# Altium PCB controller_V1.0.PcbDoc (part 7 of 8) (continued)
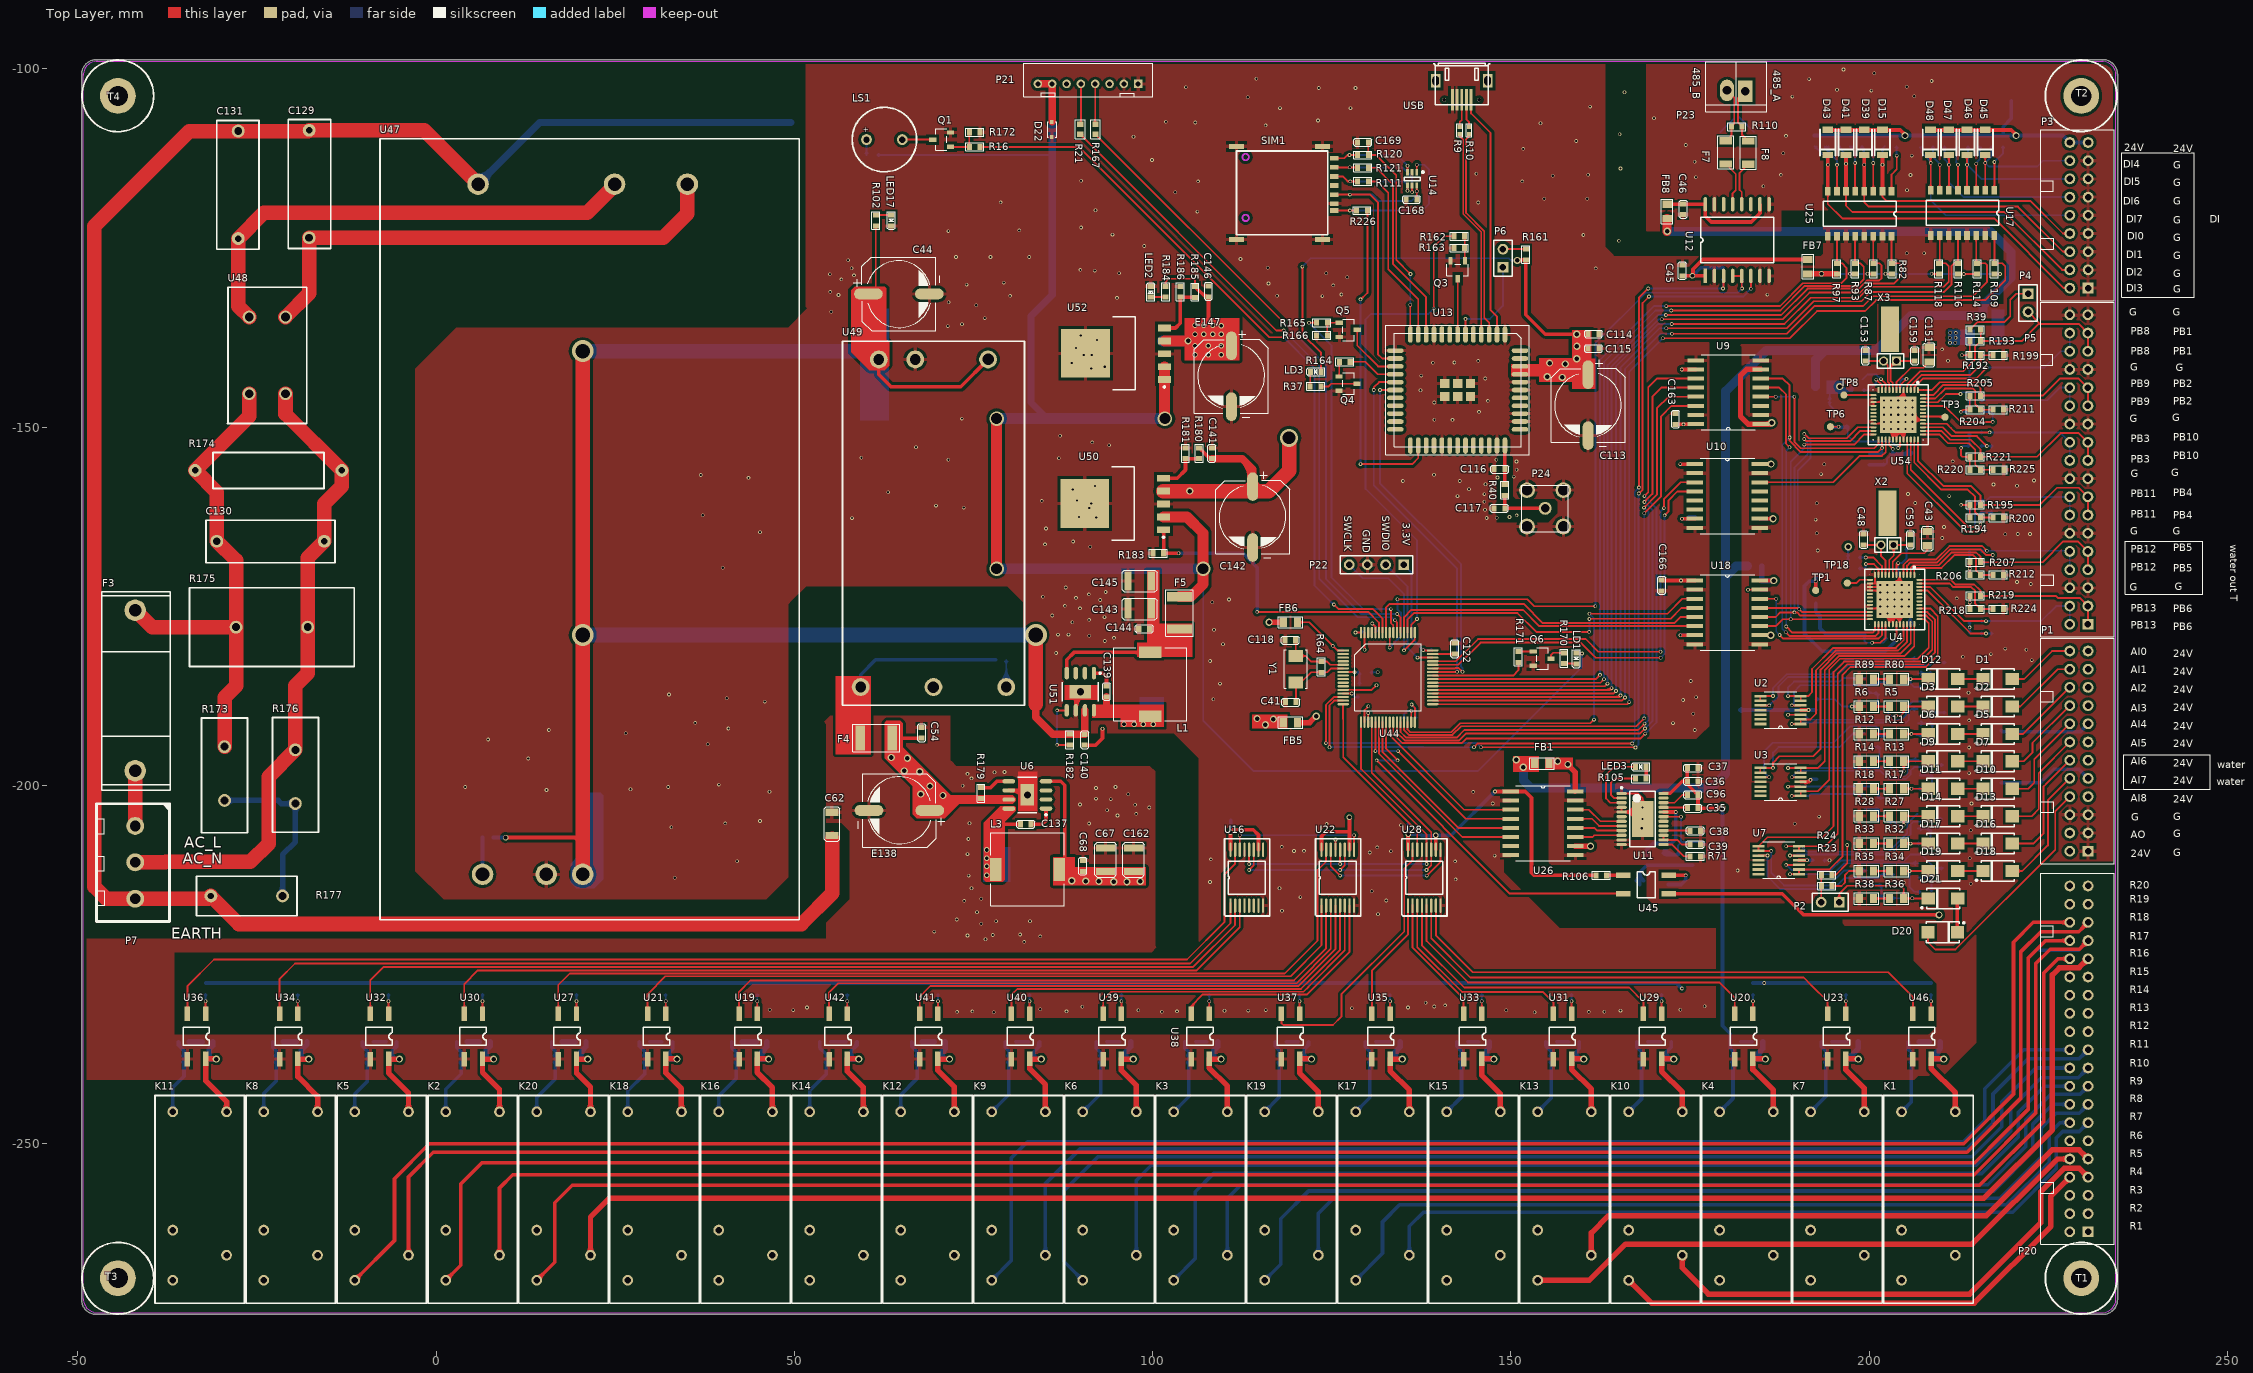
[diagram p0: Top Layer view]
## Nets (pads, with @x,y where several pads share a name; then routed paths per layer and width w, separated by ;. In a path a pad name is that pad's centre, name@x,y a point inside that pad or via, vN(x,y) a via of type N, cw(c..) or ccw(c..) an arc to the next point about the centre after c; other vN are vias at no path point) (continued)
PT100_A8: R196.1 R201.2 U54.1 | length 14.6
  Top Layer w0.254: U54.1@206.803,-144.835 208.758,-144.835 209.855,-143.739 216.179,-143.739 v1(216.433,-143.485)
  Bottom Layer w0.254: R196.1@215.515,-143.485 v1(216.433,-143.485) R201.2@217.242,-143.485 ; R196.1@215.673,-143.642 cw(c216.053,-144.023) 216.053,-143.485 cw(c216.053,-142.946) R196.1@215.673,-143.327 ; v1@216.344,-143.574 ccw(c216.127,-143.791) 216.127,-143.485 ccw(c216.127,-143.178) v1@216.344,-143.395 ; v1@216.523,-143.574 cw(c216.74,-143.791) 216.74,-143.485 cw(c216.74,-143.178) v1@216.523,-143.395 ; R201.2@217.085,-143.642 ccw(c216.704,-144.023) 216.704,-143.485 ccw(c216.704,-142.946) R201.2@217.085,-143.327
PT100_A9: R208.1 R213.2 U54.45 | length 17.8
  Top Layer w0.254: U54.45@207.503,-147.035 209.062,-147.035 209.067,-147.041 ; 208.559,-147.041 209.067,-147.041 ; v1@217.152,-149.37 ccw(c216.936,-149.586) 216.936,-149.28 ccw(c216.936,-148.973) v1@217.152,-149.19 ; v1(217.242,-149.28) 212.747,-149.28 210.508,-147.041 209.067,-147.041
  Bottom Layer w0.254: R208.1@215.515,-147.879 R213.2@217.242,-147.879 v1(217.242,-149.28) ; R208.1@215.673,-148.036 cw(c216.053,-148.417) 216.053,-147.879 cw(c216.053,-147.34) R208.1@215.673,-147.721 ; R213.2@217.085,-148.111 cw(c216.704,-148.492) 217.242,-148.492 cw(c217.781,-148.492) R213.2@217.4,-148.111 ; R213.2@217.085,-148.036 ccw(c216.704,-148.417) 216.704,-147.879 ccw(c216.704,-147.34) R213.2@217.085,-147.721 ; v1@217.152,-149.19 ccw(c216.936,-148.973) 217.242,-148.973 ccw(c217.549,-148.973) v1@217.332,-149.19
PT100_A10: R220.1 R225.2 U54.37 | length 14.7
  Top Layer w0.254: U54.37@207.503,-151.035 209.76,-151.035 210.998,-152.273 213.919,-152.273 214.811,-153.165 214.811,-155.225 R220.1@215.542,-155.956 R225.2@217.293,-155.956 ; R220.1@215.699,-156.114 cw(c216.08,-156.494) 216.08,-155.956 cw(c216.08,-155.418) R220.1@215.699,-155.798 ; R225.2@217.135,-156.114 ccw(c216.755,-156.494) 216.755,-155.956 ccw(c216.755,-155.418) R225.2@217.135,-155.798
PT100_A11: R198.2 R246.1 U54.33 | length 26
  Top Layer w0.254: U54.33@205.303,-151.735 205.303,-156.484 213.385,-164.567 215.163,-164.567 215.515,-164.215 v1(215.515,-163.58) ; v1@215.425,-163.67 cw(c215.208,-163.887) 215.515,-163.887 cw(c215.822,-163.887) v1@215.605,-163.67
  Bottom Layer w0.254: R246.1@215.357,-162.132 cw(c214.977,-162.513) 215.515,-162.513 cw(c216.053,-162.513) R246.1@215.673,-162.132 ; v1@215.425,-163.49 ccw(c215.208,-163.273) 215.515,-163.273 ccw(c215.822,-163.273) v1@215.605,-163.49 ; v1(215.515,-163.58) R246.1@215.515,-161.9 R198.2@217.217,-161.9 ; R246.1@215.673,-162.057 cw(c216.053,-162.438) 216.053,-161.9 cw(c216.053,-161.361) R246.1@215.673,-161.742 ; 216.643,-161.9 ccw(c216.643,-161.275) R198.2@217.085,-161.717 ; 216.765,-161.9 cw(c216.765,-162.351) R198.2@217.085,-162.032
PT100_A12: R202.1 R210.2 U4.3 | length 20.9
  Top Layer w0.254: U4.3@205.295,-170.616 205.295,-169.33 205.74,-168.885 206.324,-168.885 209.479,-168.885 211.257,-167.107 215.544,-167.107 216.285,-167.847 v1(217.242,-167.847) ; v1@217.152,-167.937 ccw(c216.936,-168.154) 216.936,-167.847 ccw(c216.936,-167.541) v1@217.152,-167.757
  Bottom Layer w0.254: R202.1@215.515,-168.91 216.433,-168.91 R210.2@217.242,-168.91 v1(217.242,-167.847) v1@217.242,-167.72 ; R202.1@215.673,-169.068 cw(c216.053,-169.448) 216.053,-168.91 cw(c216.053,-168.372) R202.1@215.673,-168.752 ; R210.2@217.085,-169.068 ccw(c216.704,-169.448) 216.704,-168.91 ccw(c216.704,-168.372) R210.2@217.085,-168.752 ; R210.2@217.085,-168.677 ccw(c216.704,-168.297) 217.242,-168.297 ccw(c217.781,-168.297) R210.2@217.4,-168.677 ; v1@217.152,-167.937 cw(c216.936,-168.154) 217.242,-168.154 cw(c217.549,-168.154) v1@217.332,-167.937
PT100_A13: R214.1 R222.2 U4.45 | length 16.7
  Top Layer w0.254: U4.45@206.995,-172.816 208.16,-172.816 211.626,-176.282 214.151,-178.807 v1(216.306,-178.807) ; v1@216.217,-178.897 ccw(c216,-179.114) 216,-178.807 ccw(c216,-178.501) v1@216.217,-178.717
  Bottom Layer w0.254: R214.1@215.515,-178.807 v1(216.306,-178.807) R222.2@217.242,-178.807 ; R214.1@215.673,-178.965 cw(c216.053,-179.346) 216.053,-178.807 cw(c216.053,-178.269) R214.1@215.673,-178.65 ; v1@216.217,-178.897 ccw(c216,-179.114) 216,-178.807 ccw(c216,-178.501) v1@216.217,-178.717 ; v1@216.396,-178.897 cw(c216.613,-179.114) 216.613,-178.807 cw(c216.613,-178.501) v1@216.396,-178.717 ; R222.2@217.085,-178.965 ccw(c216.704,-179.346) 216.704,-178.807 ccw(c216.704,-178.269) R222.2@217.085,-178.65
PT100_B1: P4.2 P5.31 P5.33 R39.1 R193.1 U54.4 | length 40.1
  Top Layer w0.254: U54.4@205.303,-144.835 205.303,-144.023 207.112,-142.215 213.131,-142.215 214.782,-140.564 214.782,-138.758 R193.1@215.542,-137.998 ; R193.1@215.384,-137.766 ccw(c214.936,-137.317) 215.57,-137.317 ; R39.1@215.412,-136.631 cw(c215.031,-137.011) 215.57,-137.011 cw(c216.108,-137.011) R39.1@215.727,-136.631 ; 215.57,-137.452 ccw(c216.013,-137.452) R193.1@215.699,-137.766 ; R39.1@215.57,-136.398 215.57,-137.97 R193.1@215.542,-137.998 ; R193.1@215.699,-138.156 cw(c216.08,-138.537) 216.08,-137.998 cw(c216.08,-137.46) R193.1@215.699,-137.841 ; P4.2@222.174,-133.934 223.672,-135.433 223.672,-135.611 ; P5.31@230.53,-139.421 P5.33@230.53,-136.881 229.26,-135.611 223.672,-135.611 ; R193.1@215.542,-137.998 221.285,-137.998 223.672,-135.611
PT100_B2: P5.25 P5.27 R205.1 U54.48 | length 30.6
  Top Layer w0.254: U54.48@207.503,-145.535 208.922,-145.535 210.337,-144.12 212.623,-144.12 215.036,-144.12 215.542,-144.625 R205.1@215.542,-145.644 215.567,-145.618 224.206,-145.618 226.593,-143.231 229.26,-143.231 P5.27@230.53,-144.501 P5.25@230.53,-147.041 ; R205.1@215.384,-145.411 ccw(c215.003,-145.03) 215.542,-145.03 ccw(c216.08,-145.03) R205.1@215.699,-145.411 ; R205.1@215.699,-145.801 cw(c216.141,-146.243) 216.141,-145.618 ; R205.1@215.699,-145.486 ccw(c216.019,-145.167) 216.019,-145.618
PT100_B3: P5.20 P5.22 R217.1 U54.40 | length 27.7
  Top Layer w0.254: U54.40@207.503,-149.535 210.8,-149.535 211.417,-150.152 212.014,-150.749 v1(216.814,-150.749) ; v1@216.725,-150.839 ccw(c216.508,-151.056) 216.508,-150.749 ccw(c216.508,-150.442) v1@216.725,-150.659
  Bottom Layer w0.254: R217.1@215.515,-150.749 v1(216.814,-150.749) 226.619,-150.749 P5.22@227.99,-152.121 P5.20@227.99,-154.661 ; R217.1@215.673,-150.907 cw(c216.053,-151.287) 216.053,-150.749 cw(c216.053,-150.211) R217.1@215.673,-150.591 ; v1@216.725,-150.839 ccw(c216.508,-151.056) 216.508,-150.749 ccw(c216.508,-150.442) v1@216.725,-150.659 ; v1@216.904,-150.839 cw(c217.121,-151.056) 217.121,-150.749 cw(c217.121,-150.442) v1@216.904,-150.659
PT100_B4: P5.13 P5.15 R195.1 U54.36 | length 35.7
  Top Layer w0.254: U54.36@206.803,-151.735 206.803,-154.682 210.337,-158.217 214.147,-158.217 215.542,-159.611 R195.1@215.542,-160.858 223.825,-160.858 226.212,-158.471 229.26,-158.471 P5.15@230.53,-159.741 P5.13@230.53,-162.281 ; R195.1@215.384,-160.626 ccw(c215.003,-160.245) 215.542,-160.245 ccw(c216.08,-160.245) R195.1@215.699,-160.626 ; R195.1@215.699,-161.016 cw(c216.08,-161.397) 216.08,-160.858 cw(c216.08,-160.32) R195.1@215.699,-160.701
PT100_B5: P5.7 P5.9 R207.1 U4.2 | length 33.6
  Top Layer w0.254: U4.2@205.795,-170.616 205.795,-169.648 206.162,-169.281 209.738,-169.281 211.531,-167.488 214.909,-167.488 215.542,-168.12 R207.1@215.542,-168.859 ; R207.1@215.384,-168.627 ccw(c215.003,-168.246) 215.542,-168.246 ccw(c216.08,-168.246) R207.1@215.699,-168.627 ; R207.1@215.546,-168.863 R207.1@215.542,-168.859 ; R207.1@215.699,-169.017 cw(c216.08,-169.398) 216.08,-168.859 cw(c216.08,-168.321) R207.1@215.699,-168.702 ; P5.7@230.53,-169.901 P5.9@230.53,-167.361 229.133,-165.964 227.101,-165.964 224.206,-168.859 R207.1@215.542,-168.859
PT100_B6: P5.1 P5.3 R219.1 U4.48 | length 29.7
  Top Layer w0.254: U4.48@206.995,-171.316 211.372,-171.316 212.014,-171.958 214.63,-171.958 215.542,-172.87 R219.1@215.542,-173.558 226.06,-173.558 226.339,-173.838 229.387,-173.838 P5.3@230.53,-174.981 P5.1@230.53,-177.521 ; R219.1@215.384,-173.326 ccw(c215.003,-172.945) 215.542,-172.945 ccw(c216.08,-172.945) R219.1@215.699,-173.326 ; R219.1@215.699,-173.716 cw(c216.08,-174.097) 216.08,-173.558 cw(c216.08,-173.02) R219.1@215.699,-173.401
PT100_B8: P5.32 P5.34 R197.1 U54.2 | length 30.2
  Top Layer w0.254: U54.2@206.303,-144.835 206.303,-144.42 207.493,-143.231 211.353,-143.231 214.909,-143.231 v1(216.433,-141.707) ; U54.2@206.316,-144.55 cw(c206.661,-144.55) 206.417,-144.306 ; v1@216.306,-141.707 cw(c216,-141.707) 216.217,-141.923 cw(c216.433,-142.14) v1@216.433,-141.834
  Bottom Layer w0.254: R197.1@215.515,-141.707 v1(216.433,-141.707) 224.434,-141.707 226.72,-139.421 P5.32@227.99,-139.421 P5.34@227.99,-136.881 ; R197.1@215.673,-141.864 cw(c216.053,-142.245) 216.053,-141.707 cw(c216.053,-141.168) R197.1@215.673,-141.549 ; v1@216.344,-141.796 ccw(c216.127,-142.013) 216.127,-141.707 ccw(c216.127,-141.4) v1@216.344,-141.617 ; v1@216.523,-141.796 cw(c216.74,-142.013) 216.74,-141.707 cw(c216.74,-141.4) v1@216.523,-141.617
PT100_B9: P5.26 P5.28 R209.1 U54.46 | length 27.5
  Top Layer w0.254: U54.46@207.503,-146.535 209.573,-146.535 210.718,-145.39 v1(212.75,-145.39) ; v1@212.661,-145.479 ccw(c212.444,-145.696) 212.444,-145.39 ccw(c212.444,-145.083) v1@212.661,-145.3
  Bottom Layer w0.254: v1(212.75,-145.39) 213.004,-145.136 215.29,-145.136 215.515,-145.36 R209.1@215.515,-146.253 216.56,-146.253 224.841,-146.253 226.593,-144.501 P5.28@227.99,-144.501 P5.26@227.99,-147.041 ; R209.1@215.357,-146.021 ccw(c214.977,-145.64) 215.515,-145.64 ccw(c216.053,-145.64) R209.1@215.673,-146.021 ; R209.1@215.673,-146.411 cw(c216.053,-146.792) 216.053,-146.253 cw(c216.053,-145.715) R209.1@215.673,-146.096
PT100_B10: P5.19 P5.21 R221.1 U54.38 | length 31.2
  Top Layer w0.254: U54.38@207.503,-150.535 210.066,-150.535 211.295,-151.765 214.173,-151.765 215.542,-153.134 R221.1@215.542,-154.153 223.418,-154.153 226.72,-150.851 229.26,-150.851 P5.21@230.53,-152.121 P5.19@230.53,-154.661 ; R221.1@215.384,-153.92 ccw(c215.003,-153.539) 215.542,-153.539 ccw(c216.08,-153.539) R221.1@215.699,-153.92 ; R221.1@215.699,-154.31 cw(c216.08,-154.691) 216.08,-154.153 cw(c216.08,-153.614) R221.1@215.699,-153.995
PT100_B11: P5.14 P5.16 R191.1 U54.34 | length 38.4
  Top Layer w0.254: U54.34@205.803,-151.735 205.803,-155.968 213.766,-163.932 v1(214.782,-163.932) ; v1@214.693,-164.021 ccw(c214.476,-164.238) 214.476,-163.932 ccw(c214.476,-163.625) v1@214.693,-163.842
  Bottom Layer w0.254: v1@214.693,-163.842 ccw(c214.476,-163.625) 214.782,-163.625 ccw(c215.089,-163.625) v1@214.872,-163.842 ; v1(214.782,-163.932) 214.782,-160.956 R191.1@215.515,-160.223 216.433,-160.223 216.916,-159.741 P5.16@227.99,-159.741 P5.14@227.99,-162.281 ; 215.006,-160.732 cw(c215.515,-161.241) R191.1@215.515,-160.521 ; R191.1@215.187,-160.551 ccw(c214.935,-160.298) R191.1@215.292,-160.298 ; R191.1@215.673,-160.381 cw(c216.053,-160.762) 216.053,-160.223 cw(c216.053,-159.685) R191.1@215.673,-160.066
PT100_B12: P5.8 P5.10 R203.1 U4.4 | length 32.1
  Top Layer w0.254: U4.4@204.795,-170.616 204.795,-169.22 205.511,-168.504 209.321,-168.504 211.226,-166.599 215.773,-166.599 v1(216.433,-167.259) ; v1@216.306,-167.259 ccw(c216,-167.259) 216.217,-167.042 ccw(c216.433,-166.825) v1@216.433,-167.132
  Bottom Layer w0.254: R203.1@215.515,-167.259 v1(216.433,-167.259) 226.339,-167.259 ; R203.1@215.673,-167.417 cw(c216.053,-167.797) 216.053,-167.259 cw(c216.053,-166.721) R203.1@215.673,-167.101 ; v1@216.344,-167.349 ccw(c216.127,-167.566) 216.127,-167.259 ccw(c216.127,-166.952) v1@216.344,-167.169 ; v1@216.523,-167.349 cw(c216.74,-167.566) 216.74,-167.259 cw(c216.74,-166.952) v1@216.523,-167.169 ; 226.695,-167.259 226.339,-167.259 ; P5.8@227.99,-169.901 P5.10@227.99,-167.361 227.889,-167.259 226.339,-167.259
PT100_B13: P5.2 P5.4 R215.1 U4.46 | length 29.5
  Top Layer w0.254: U4.46@206.995,-172.316 208.486,-172.316 213.258,-177.089 v1(216.306,-177.089) ; v1@216.217,-177.179 ccw(c216,-177.395) 216,-177.089 ccw(c216,-176.782) v1@216.217,-176.999
  Bottom Layer w0.254: R215.1@215.515,-177.089 v1(216.306,-177.089) 223.977,-177.089 226.085,-174.981 P5.4@227.99,-174.981 P5.2@227.99,-177.521 ; R215.1@215.673,-177.246 cw(c216.053,-177.627) 216.053,-177.089 cw(c216.053,-176.55) R215.1@215.673,-176.931 ; v1@216.217,-177.179 ccw(c216,-177.395) 216,-177.089 ccw(c216,-176.782) v1@216.217,-176.999 ; v1@216.396,-177.179 cw(c216.613,-177.395) 216.613,-177.089 cw(c216.613,-176.782) v1@216.396,-176.999
RE_IO2: U44.3
RELAY_A1: K1.1 P20.1 | length 23.7
  GND w0.762: K1.1@212.019,-265.567 216.538,-261.048 229.288,-261.048 P20.1@230.546,-262.306 ; K1.1@212.019,-265.198 ccw(c212.019,-264.307) 212.649,-264.937 ccw(c213.279,-265.567) K1.1@212.388,-265.567 ; P20.1@230.177,-262.306 ccw(c229.287,-262.306) 229.916,-261.676 ccw(c230.546,-261.046) P20.1@230.546,-261.937
RELAY_A2: K4.1 P20.5 | length 54.1
  GND w0.762: K4.1@186.362,-265.306 ccw(c185.732,-264.676) 186.623,-264.676 ccw(c187.514,-264.676) K4.1@186.884,-265.306 ; K4.1@186.623,-265.567 186.623,-260.696 191.352,-255.968 229.288,-255.968 P20.5@230.546,-257.226 ; P20.5@230.177,-257.226 ccw(c229.287,-257.226) 229.916,-256.596 ccw(c230.546,-255.966) P20.5@230.546,-256.857
RELAY_A3: K7.1 P20.3 | length 39.4
  GND w0.762: K7.1@199.06,-265.306 ccw(c198.43,-264.676) 199.321,-264.676 ccw(c200.212,-264.676) K7.1@199.582,-265.306 ; K7.1@199.321,-265.567 199.321,-262.349 203.163,-258.508 229.288,-258.508 P20.3@230.546,-259.766 ; P20.3@230.177,-259.766 ccw(c229.287,-259.766) 229.916,-259.136 ccw(c230.546,-258.506) P20.3@230.546,-259.397
RELAY_A4: K10.1 P20.7 | length 73.1
  Top Layer w0.762: K10.1@173.665,-265.828 cw(c173.035,-266.458) 173.926,-266.458 cw(c174.816,-266.458) K10.1@174.187,-265.828 ; K10.1@173.926,-265.567 173.926,-267.347 177.571,-270.993 214.02,-270.993 223.977,-261.036 223.977,-256.692 227.242,-253.428 229.288,-253.428 P20.7@230.546,-254.686 ; P20.7@230.177,-254.686 ccw(c229.287,-254.686) 229.916,-254.056 ccw(c230.546,-253.426) P20.7@230.546,-254.317
RELAY_A5: K13.1 P20.9 | length 80.5
  Top Layer w0.762: K13.1@160.967,-265.306 ccw(c160.337,-264.676) 161.228,-264.676 ccw(c162.119,-264.676) K13.1@161.489,-265.306 ; K13.1@161.228,-265.567 161.228,-262.458 163.641,-260.045 216.357,-260.045 225.515,-250.888 229.288,-250.888 P20.9@230.546,-252.146 ; P20.9@230.177,-252.146 ccw(c229.287,-252.146) 229.916,-251.516 ccw(c230.546,-250.886) P20.9@230.546,-251.777
RELAY_A6: K15.1 P20.11 | length 92.4
  VCC w0.508: K15.1@148.53,-265.567 154.777,-265.567 156.743,-263.601 214.249,-263.601 226.924,-250.927 228.346,-250.927 229.226,-250.927 P20.11@230.546,-249.606 ; K15.1@148.881,-265.918 cw(c149.728,-266.765) 149.728,-265.567 cw(c149.728,-264.37) K15.1@148.881,-265.216 ; P20.11@230.05,-249.606 cw(c228.853,-249.606) 229.7,-250.453 cw(c230.546,-251.299) P20.11@230.546,-250.102
RELAY_A7: K17.1 P20.13 | length 111
  Bottom Layer w0.508: K17.1@135.482,-265.216 ccw(c134.635,-264.37) 135.832,-264.37 ccw(c137.03,-264.37) K17.1@136.183,-265.216 ; K17.1@135.832,-265.567 135.832,-261.525 137.795,-259.563 220.04,-259.563 226.085,-253.517 226.085,-249.25 227.025,-248.31 229.302,-248.31 P20.13@230.546,-247.066 ; P20.13@230.05,-247.066 cw(c228.853,-247.066) 229.7,-247.913 cw(c230.546,-248.759) P20.13@230.546,-247.562
RELAY_A8: K19.1 P20.15 | length 125.6
  Bottom Layer w0.508: K19.1@122.784,-265.216 ccw(c121.937,-264.37) 123.135,-264.37 ccw(c124.332,-264.37) K19.1@123.485,-265.216 ; K19.1@123.135,-265.567 123.135,-259.745 125.247,-257.632 218.211,-257.632 224.003,-251.841 224.003,-247.853 226.085,-245.77 229.302,-245.77 P20.15@230.546,-244.526 ; P20.15@230.05,-244.526 cw(c228.853,-244.526) 229.7,-245.373 cw(c230.546,-246.219) P20.15@230.546,-245.022
RELAY_A9: K3.1 P20.17 | length 140.5
  Bottom Layer w0.508: K3.1@110.086,-265.216 ccw(c109.24,-264.37) 110.437,-264.37 ccw(c111.634,-264.37) K3.1@110.788,-265.216 ; K3.1@110.437,-265.567 110.437,-257.634 112.344,-255.727 216.535,-255.727 221.844,-250.419 221.844,-246.659 225.386,-243.117 229.415,-243.117 P20.17@230.546,-241.986 ; P20.17@230.05,-241.986 cw(c228.853,-241.986) 229.7,-242.833 cw(c230.546,-243.679) P20.17@230.546,-242.482
RELAY_A10: K6.1 P20.19 | length 155.3
  Bottom Layer w0.508: K6.1@97.389,-265.216 ccw(c96.542,-264.37) 97.739,-264.37 ccw(c98.937,-264.37) K6.1@98.09,-265.216 ; K6.1@97.739,-265.567 97.739,-255.118 99.822,-253.035 214.935,-253.035 219.735,-248.234 219.735,-245.11 224.028,-240.817 229.175,-240.817 P20.19@230.546,-239.446 ; P20.19@230.05,-239.446 cw(c228.853,-239.446) 229.7,-240.293 cw(c230.546,-241.139) P20.19@230.546,-239.942
RELAY_A11: K9.1 P20.21 | length 169.3
  Bottom Layer w0.508: K9.1@84.691,-265.216 ccw(c83.844,-264.37) 85.042,-264.37 ccw(c86.239,-264.37) K9.1@85.392,-265.216 ; K9.1@85.042,-265.567 85.042,-255.572 89.865,-250.749 213.614,-250.749 217.272,-247.091 217.272,-243.078 222.174,-238.176 229.276,-238.176 P20.21@230.546,-236.906 ; P20.21@230.05,-236.906 cw(c228.853,-236.906) 229.7,-237.753 cw(c230.546,-238.599) P20.21@230.546,-237.402
RELAY_A12: K12.1 P20.23 | length 184.2
  VCC w0.508: K12.1@71.993,-265.216 ccw(c71.146,-264.37) 72.344,-264.37 ccw(c73.541,-264.37) K12.1@72.695,-265.216 ; K12.1@72.344,-265.567 72.344,-261.107 74.879,-258.572 215.417,-258.572 226.238,-247.752 226.238,-236.398 227.051,-235.585 229.327,-235.585 P20.23@230.546,-234.366 ; P20.23@230.05,-234.366 cw(c228.853,-234.366) 229.7,-235.213 cw(c230.546,-236.059) P20.23@230.546,-234.862
RELAY_A13: K14.1 P20.25 | length 199.1
  VCC w0.508: K14.1@59.295,-265.216 ccw(c58.449,-264.37) 59.646,-264.37 ccw(c60.844,-264.37) K14.1@59.997,-265.216 ; K14.1@59.646,-265.567 59.646,-259.022 62.484,-256.184 214.427,-256.184 224.13,-246.482 224.13,-235.179 226.212,-233.096 229.276,-233.096 P20.25@230.546,-231.826 ; P20.25@230.05,-231.826 cw(c228.853,-231.826) 229.7,-232.673 cw(c230.546,-233.519) P20.25@230.546,-232.322
RELAY_A14: K16.1 P20.27 | length 213.6
  VCC w0.508: K16.1@46.598,-265.216 ccw(c45.751,-264.37) 46.948,-264.37 ccw(c48.146,-264.37) K16.1@47.299,-265.216 ; K16.1@46.948,-265.567 46.948,-258.004 51.054,-253.898 213.106,-253.898 221.92,-245.085 221.92,-233.553 224.993,-230.48 229.353,-230.48 P20.27@230.546,-229.286 ; P20.27@230.05,-229.286 cw(c228.853,-229.286) 229.7,-230.133 cw(c230.546,-230.979) P20.27@230.546,-229.782
RELAY_A15: K18.1 P20.29 | length 230.4
  VCC w0.508: K18.1@33.9,-265.216 ccw(c33.053,-264.37) 34.251,-264.37 ccw(c35.448,-264.37) K18.1@34.601,-265.216 ; K18.1@34.251,-265.567 34.251,-253.709 36.424,-251.536 212.242,-251.536 218.796,-244.983 218.796,-232.562 223.291,-228.067 229.226,-228.067 P20.29@230.546,-226.746 ; P20.29@230.05,-226.746 cw(c228.853,-226.746) 229.7,-227.593 cw(c230.546,-228.439) P20.29@230.546,-227.242
RELAY_A16: K20.1 P20.31 | length 244.7
  Top Layer w0.762: K20.1@21.292,-265.306 ccw(c20.662,-264.676) 21.553,-264.676 ccw(c22.444,-264.676) K20.1@21.814,-265.306 ; K20.1@21.553,-265.567 21.553,-260.26 24.155,-257.658 215.976,-257.658 225.552,-248.082 225.552,-226.441 226.529,-225.464 228.527,-225.464 228.541,-225.45 229.302,-225.45 P20.31@230.546,-224.206 ; P20.31@230.177,-224.206 cw(c229.287,-224.206) 229.916,-224.836 cw(c230.546,-225.466) P20.31@230.546,-224.575
RELAY_A17: K2.1 P20.33 | length 270.5
  Top Layer w0.508: K2.1@8.504,-265.216 ccw(c7.658,-264.37) 8.855,-264.37 ccw(c10.053,-264.37) K2.1@9.206,-265.216 ; K2.1@8.855,-265.567 8.855,-256.194 10.719,-254.33 214.655,-254.33 223.266,-245.72 223.266,-224.866 225.273,-222.86 229.353,-222.86 P20.33@230.546,-221.666 ; P20.33@230.05,-221.666 cw(c228.853,-221.666) 229.7,-222.513 cw(c230.546,-223.359) P20.33@230.546,-222.162
  Bottom Layer w0.508: 223.825,-223.037 229.175,-223.037 P20.33@230.546,-221.666 ; P20.33@230.05,-221.666 cw(c228.853,-221.666) 229.7,-222.513 cw(c230.546,-223.359) P20.33@230.546,-222.162
RELAY_A18: K5.1 P20.35 | length 275.8
  Top Layer w0.508: K5.1@-4.193,-265.216 ccw(c-5.04,-264.37) -3.843,-264.37 ccw(c-2.645,-264.37) K5.1@-3.492,-265.216 ; K5.1@-3.843,-265.567 -3.843,-254.66 -0.388,-251.206 213.639,-251.206 221.132,-243.713 221.132,-223.266 223.977,-220.421 229.251,-220.421 P20.35@230.546,-219.126 ; P20.35@230.05,-219.126 cw(c228.853,-219.126) 229.7,-219.973 cw(c230.546,-220.819) P20.35@230.546,-219.622
RELAY_A19: K8.1 P20.37 | length 291.1
  GND w0.508: K8.1@-16.891,-265.216 ccw(c-17.738,-264.37) -16.54,-264.37 ccw(c-15.343,-264.37) K8.1@-16.19,-265.216 ; K8.1@-16.54,-265.567 -16.54,-257.078 -13.741,-254.279 216.713,-254.279 225.755,-245.237 225.755,-219.634 227.508,-217.881 229.251,-217.881 P20.37@230.546,-216.586 ; P20.37@230.05,-216.586 cw(c228.853,-216.586) 229.7,-217.433 cw(c230.546,-218.279) P20.37@230.546,-217.082
RELAY_A20: K11.1 P20.39 | length 305.6
  GND w0.508: K11.1@-29.589,-265.216 ccw(c-30.435,-264.37) -29.238,-264.37 ccw(c-28.041,-264.37) K11.1@-28.887,-265.216 ; K11.1@-29.238,-265.567 -29.238,-256.083 -24.488,-251.333 215.722,-251.333 222.25,-244.805 222.25,-218.939 225.975,-215.214 226.136,-215.214 229.378,-215.214 P20.39@230.546,-214.046 ; P20.39@230.05,-214.046 cw(c228.853,-214.046) 229.7,-214.893 cw(c230.546,-215.739) P20.39@230.546,-214.542
RELAY_B1: K1.3 P20.2 | length 29.1
  GND w0.762: K1.3@204.519,-269.067 211.983,-269.067 218.745,-262.306 P20.2@228.006,-262.306 ; K1.3@204.78,-269.328 cw(c205.41,-269.958) 205.41,-269.067 cw(c205.41,-268.176) K1.3@204.78,-268.806 ; P20.2@227.745,-262.567 ccw(c227.116,-263.197) 227.116,-262.306 ccw(c227.116,-261.415) P20.2@227.745,-262.045
RELAY_B2: K4.3 P20.6 | length 60.1
  GND w0.762: K4.3@179.123,-269.067 186.817,-269.067 188.849,-267.035 188.849,-261.112 192.735,-257.226 P20.6@228.006,-257.226 ; K4.3@179.384,-269.328 cw(c180.014,-269.958) 180.014,-269.067 cw(c180.014,-268.176) K4.3@179.384,-268.806 ; P20.6@227.745,-257.487 ccw(c227.116,-258.117) 227.116,-257.226 ccw(c227.116,-256.335) P20.6@227.745,-256.965
RELAY_B3: K7.3 P20.4 | length 42.8
  GND w0.762: K7.3@191.821,-269.067 193.337,-267.551 205.016,-267.551 212.801,-259.766 P20.4@228.006,-259.766 ; K7.3@191.821,-268.698 ccw(c191.821,-267.807) 192.451,-268.437 ccw(c193.081,-269.067) K7.3@192.19,-269.067 ; P20.4@227.745,-260.027 ccw(c227.116,-260.657) 227.116,-259.766 ccw(c227.116,-258.875) P20.4@227.745,-259.505
RELAY_B4: K10.3 P20.8 | length 75.7
  Top Layer w0.508: K10.3@166.426,-269.067 K10.3@166.7,-269.067
  Top Layer w0.762: K10.3@166.426,-269.436 cw(c166.426,-270.327) 167.056,-269.697 cw(c167.685,-269.067) K10.3@166.795,-269.067 ; K10.3@166.426,-269.067 169.621,-272.263 214.655,-272.263 225.349,-261.569 225.349,-257.343 P20.8@228.006,-254.686 ; P20.8@227.637,-254.686 cw(c226.747,-254.686) 227.376,-255.316 cw(c228.006,-255.946) P20.8@228.006,-255.055
RELAY_B5: K13.3 P20.10 | length 84.1
  Top Layer w0.762: K13.3@153.728,-269.067 160.96,-269.067 165.994,-264.033 214.376,-264.033 226.263,-252.146 P20.10@228.006,-252.146 ; K13.3@153.989,-269.328 cw(c154.619,-269.958) 154.619,-269.067 cw(c154.619,-268.176) K13.3@153.989,-268.806 ; P20.10@227.745,-252.407 ccw(c227.116,-253.037) 227.116,-252.146 ccw(c227.116,-251.255) P20.10@227.745,-251.885
RELAY_B6: K15.3 P20.12 | length 101.3
  VCC w0.508: K15.3@140.679,-268.716 ccw(c139.833,-267.87) 141.03,-267.87 ccw(c142.228,-267.87) K15.3@141.381,-268.716 ; K15.3@141.03,-269.067 141.03,-264.811 146.025,-259.817 215.849,-259.817 226.06,-249.606 P20.12@228.006,-249.606 ; P20.12@227.656,-249.957 ccw(c226.809,-250.803) 226.809,-249.606 ccw(c226.809,-248.408) P20.12@227.656,-249.255
RELAY_B7: K17.3 P20.14 | length 117.5
  Bottom Layer w0.508: K17.3@128.332,-269.067 132.08,-265.32 132.08,-260.934 134.468,-258.547 219.177,-258.547 225.12,-252.603 225.12,-248.615 226.67,-247.066 P20.14@228.006,-247.066 ; K17.3@128.332,-268.571 ccw(c128.332,-267.374) 129.179,-268.22 ccw(c130.026,-269.067) K17.3@128.828,-269.067 ; P20.14@227.656,-247.417 ccw(c226.809,-248.263) 226.809,-247.066 ccw(c226.809,-245.868) P20.14@227.656,-246.715
RELAY_B8: K19.3 P20.16 | length 132.2
  Bottom Layer w0.508: K19.3@115.635,-269.067 117.881,-266.82 117.881,-260.502 121.768,-256.616 217.348,-256.616 222.809,-251.155 222.809,-247.345 225.628,-244.526 P20.16@228.006,-244.526 ; K19.3@115.635,-268.571 ccw(c115.635,-267.374) 116.481,-268.22 ccw(c117.328,-269.067) K19.3@116.131,-269.067 ; P20.16@227.656,-244.877 ccw(c226.809,-245.723) 226.809,-244.526 ccw(c226.809,-243.328) P20.16@227.656,-244.175
RELAY_B9: K3.3 P20.18 | length 147.5
  Bottom Layer w0.508: K3.3@102.937,-269.067 105.969,-266.035 105.969,-256.718 108.509,-254.178 215.697,-254.178 220.828,-249.047 220.828,-245.618 224.46,-241.986 P20.18@228.006,-241.986 ; K3.3@102.937,-268.571 ccw(c102.937,-267.374) 103.784,-268.22 ccw(c104.63,-269.067) K3.3@103.433,-269.067 ; P20.18@227.656,-242.337 ccw(c226.809,-243.183) 226.809,-241.986 ccw(c226.809,-240.788) P20.18@227.656,-241.635
RELAY_B10: K6.3 P20.20 | length 166.8
  Bottom Layer w0.508: K6.3@89.743,-269.067 ccw(c88.546,-269.067) 89.393,-268.22 ccw(c90.239,-267.374) K6.3@90.239,-268.571 ; K6.3@90.239,-269.067 87.605,-266.433 87.605,-256.616 92.38,-251.841 214.3,-251.841 218.491,-247.65 218.491,-244.196 223.241,-239.446 P20.20@228.006,-239.446 ; P20.20@227.656,-239.797 ccw(c226.809,-240.643) 226.809,-239.446 ccw(c226.809,-238.248) P20.20@227.656,-239.095
RELAY_B11: K9.3 P20.22 | length 178.5
  Bottom Layer w0.508: K9.3@77.542,-269.067 80.289,-266.319 80.289,-251.993 82.55,-249.733 213.131,-249.733 216.129,-246.736 216.129,-242.341 221.564,-236.906 P20.22@228.006,-236.906 ; K9.3@77.542,-268.571 ccw(c77.542,-267.374) 78.388,-268.22 ccw(c79.235,-269.067) K9.3@78.038,-269.067 ; P20.22@227.656,-237.257 ccw(c226.809,-238.103) 226.809,-236.906 ccw(c226.809,-235.708) P20.22@227.656,-236.555
RELAY_B12: K12.3 P20.24 | length 192.1
  VCC w0.508: K12.3@64.844,-269.067 66.751,-267.16 66.751,-259.994 69.342,-257.404 214.909,-257.404 225.171,-247.142 225.171,-235.864 226.67,-234.366 P20.24@228.006,-234.366 ; K12.3@64.844,-268.571 ccw(c64.844,-267.374) 65.691,-268.22 ccw(c66.537,-269.067) K12.3@65.34,-269.067 ; P20.24@227.656,-234.717 ccw(c226.809,-235.563) 226.809,-234.366 ccw(c226.809,-233.168) P20.24@227.656,-234.015